# Altium PCB iono_pico.PcbDoc (part 2 of 2)
Units mil, origin at the board's own origin, x right, y up, seen from the top; angles counter-clockwise.
Board outline 3937.01 x 1975 mil, 4 copper layers (Top Layer, Layer 1, Layer 2, Bottom Layer), stack 13.956 mil thick; 175 components, 115 nets, 513 pads, 244 vias.
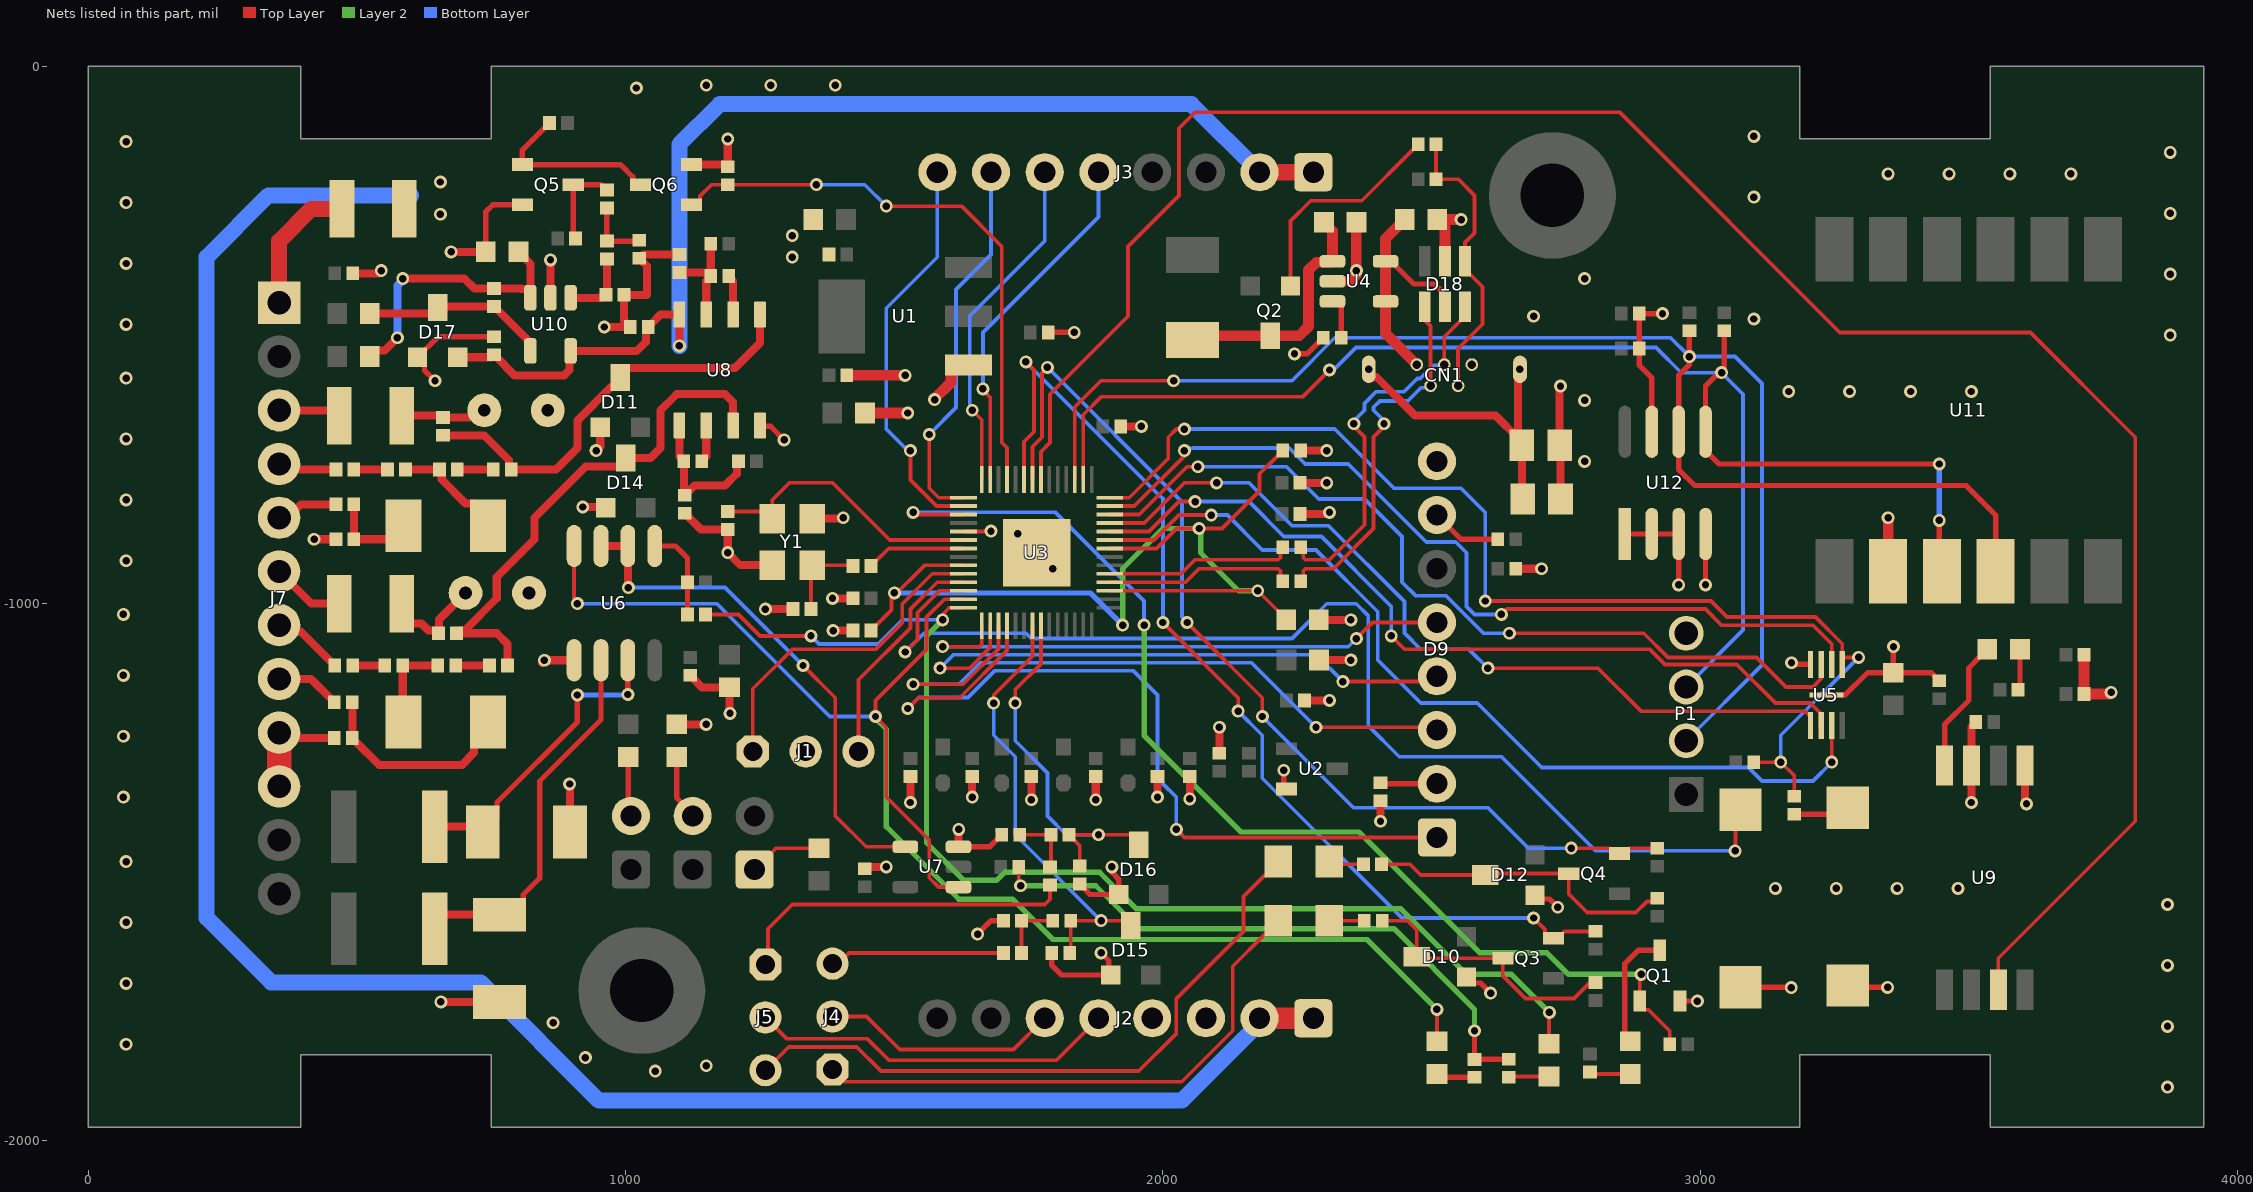
[diagram p4: the nets of this part, all layers, seen from the top]

## Via types
v1: diameter 24.02, hole 13.78, Top Layer to Bottom Layer, 243 vias
v2: diameter 24, hole 13.78, Top Layer to Bottom Layer, 1 vias

## Nets (pads, with @x,y where several pads share a name; then routed paths per layer and width w, separated by ;. In a path a pad name is that pad's centre, name@x,y a point inside that pad or via, vN(x,y) a via of type N, cw(c..) or ccw(c..) an arc to the next point about the centre after c; other vN are vias at no path point) (continued)
BLE_TX: U3.7 U9.7 | length 3937.8
  Top Layer w7: U3.7@1772.87,-769 1772.87,-717.13 1790,-700 1790,-610 1935,-465 1935,-335 2030,-240 2030,-115 2060,-85 2850,-85 3260,-495 3615,-495 3810,-690 3810,-1405 3555,-1660 U9.7@3555,-1718.66
DI1: D8.2 R64.2 R65.2 | length 167.6
  Top Layer w15: R64.2@494.06,-815 R65.2@494.06,-880 561.26,-880 D8.2@586.26,-855
DI2: D13.2 R63.2 R66.2 | length 392.1
  Top Layer w15: R63.2@491.14,-1183.27 R66.2@491.14,-1250 491.14,-1250.98 495.45,-1255.3 496.44,-1255.3 541.14,-1300 695,-1300 717.78,-1277.22 717.78,-1245.96 D13.2@743.74,-1220
DI5: C36.2 D15.3 R44.1 U3.35 | length 837.6
  Top Layer w7: v1(1685,-1185) 1685,-1170 1757.13,-1097.87 U3.35@1757.13,-1041 ; C36.2@1826.73,-1650 1828.46,-1648.27 R44.1@1828.46,-1590 v1(1885,-1590) 1931.26,-1590 D15.3@1940,-1598.74
  Bottom Layer w7: v1(1685,-1185) 1685,-1245 1725,-1285 1725,-1430 v1(1885,-1590)
DI6: C35.2 D16.3 R46.1 U3.36 | length 715.4
  Top Layer w7: v1(1725,-1185) 1725,-1160 1772.87,-1112.13 U3.36@1772.87,-1041 ; C35.2@1845,-1488.27 1845,-1450 1834.3,-1439.3 1833.31,-1439.3 1825,-1430.98 R46.1@1825,-1430 v1(1880,-1430) 1940.31,-1430 1955,-1444.69 D16.3@1955,-1448.74
  Bottom Layer w7: v1(1725,-1185) 1725,-1255 1785,-1315 1785,-1395 1820,-1430 v1(1880,-1430)
GND: C1.1 C2.1 C3.1 C4.1 C5.1 C6.1 C7.1 C8.1 C9.1 C10.1 C11.1 C12.1 C13.2 C14.1 C15.2 C16.2 C17.2 C18.1 C19.1 C20.2 C21.1 C22.1 C23.1 C24.1 C25.1 C26.1 C27.2 C28.1 C29.2 C30.1 C31.1 C32.2 C33.2 C34.2 C35.1 C36.1 C37.2 C38.1 C39.1 C40.2 C42.2 C43.2 C44.2 C45.2 CN1.5 D6.2 D7.2 D9.8 D10.1 D11.1 D12.1 D14.1 D15.1 D16.1 D17.1 D18.2 J1.2 J2.3 J2.4 J7.9 J7.10 P1.4 Q1.2 Q5.2 Q6.2 R4.2 R26.2 R28.2 R30.1 R40.2 R42.1 R48.2 R49.2 R55.1 R57.2 R60.2 R65.1 R66.1 R68.1 SW1.1 SW2.1 U1.1 U2.2 U3.19 U3.57 U4.2 U5.4 U5.9 U6.5 U7.3 U8.4 U9.1 U9.3 U10.2 U11.8 U12.1 U12.2 U12.3 U12.4 U12.7 Y1.2 Y1.4 | length 6169.1
  Top Layer w7: U3.19@1629,-865.63 1679.37,-865.63 v1(1680,-865)
  Top Layer w10: v1(645,-585) 625.53,-565.53 625.53,-554.19 D17.1@612.6,-541.26 650.59,-503.27 C37.2@755,-503.27 ; R55.1@739.69,-345 739.69,-270.31 752.6,-257.4 Q5.2@807.76,-257.4 ; U8.4@1250,-668.35 1251.62,-669.97 1269.97,-669.97 v1(1295,-695) ; U7.3@1619.41,-1452.6 1677.4,-1452.6 1692.2,-1437.8 1693.19,-1437.8 1700,-1430.98 R48.2@1700,-1430 1700,-1429.02 1693.19,-1422.2 R48.2@1692.2,-1422.2 ; v1(1655,-1615) 1680,-1590 R49.2@1703.27,-1590 ; C1.1@1786.73,-495 v1(1835,-495) ; C36.1@1793.27,-1650 1793.27,-1673.27 1811.26,-1691.26 D15.1@1902.6,-1691.26 1899.13,-1687.79 1899.13,-1664.13 v1(1885,-1650) ; C35.1@1845,-1521.73 1845.98,-1521.73 1852.8,-1528.54 1852.8,-1529.53 1864.53,-1541.26 D16.1@1917.6,-1541.26 1917.6,-1512.4 1905,-1499.8 v1(1905,-1490) ; v1(2225,-1310) 2225,-1339.8 U2.2@2230,-1344.8 ; v1(2245,-535) 2268.27,-535 2290.47,-512.8 2291.46,-512.8 2298.27,-505.98 R68.1@2298.27,-505 ; D10.1@2565,-1695 2576.1,-1706.1 2591.1,-1706.1 v1(2610,-1725) ; D12.1@2692.52,-1542.4 2699.77,-1549.65 2719.65,-1549.65 v1(2735,-1565) ; U12.1@2860,-870.24 U12.2@2910,-870.24 U12.3@2960,-870.24 v1(2960,-965) ; U12.7@2910,-680 2910,-580 2886.73,-556.73 C45.2@2886.73,-525 C43.2@2886.73,-460 v1(2930,-460) ; Q1.2@2962.4,-1739.49 2994.49,-1739.49 v1(2994.74,-1739.74) v1@2995,-1740 ; v1(3010,-965) U12.4@3010,-870.24 ; SW1.1@3075,-1714.07 3169.07,-1714.07 v1(3169.53,-1714.54) v1@3170,-1715 ; v1(3170,-1110) 3172.94,-1112.94 U5.4@3205.47,-1112.94 ; U5.9@3235,-1170 3270,-1170 3311.42,-1128.58 C28.1@3359.35,-1128.58 ; SW2.1@3277.83,-1714.07 v1(3349.07,-1714.07) v1@3350,-1715 ; v1(3360,-1080) 3359.35,-1080.65 C28.1@3359.35,-1128.58 ; C29.2@3445,-1143.27 3444.02,-1143.27 3437.2,-1136.46 3437.2,-1135.47 3430.31,-1128.58 C28.1@3359.35,-1128.58
  Top Layer w15: J7.9@355,-1240 365,-1250 R66.1@457.68,-1250 ; v1(420,-880) R65.1@460.59,-880 ; C40.2@491.73,-385 540,-385 v1(545,-380) ; v1@655,-1740 v1(656.1,-1741.1) D6.2@765,-1741.1 ; v1(675,-345) R55.1@739.69,-345 ; v1@844.06,-1110 v1(848.76,-1105.3) U6.5@904,-1105.3 ; U10.2@860,-430.59 v1(860,-360) ; v1@895,-1335 v1(895.55,-1335.55) 896.1,-1336.1 D7.2@896.1,-1425 ; v1(920,-820) 961.34,-820 D14.1@962.6,-821.26 ; v1(945,-715) 952.6,-707.4 D11.1@952.6,-671.26 ; v1(960,-485) C34.2@1008.27,-485 1008.27,-484.02 996.73,-472.48 C39.1@996.73,-425 1040,-425 1040,-371.73 1030.3,-362.03 1030.3,-361.04 C38.1@1025.98,-356.73 ; C38.1@1025,-356.73 C38.1@1025.98,-356.73 ; R60.2@1095,-1224.68 v1(1149.68,-1224.68) v1@1150,-1225 ; R28.2@1100,-350 1032.72,-350 C38.1@1025.98,-356.73 ; R40.2@1110,-831.73 1110.98,-831.73 1115.3,-836.04 1115.3,-837.03 1140,-861.73 C14.1@1190,-861.73 v1(1190,-905) 1213.31,-928.31 Y1.2@1272.6,-928.31 ; C27.2@1120,-1133.46 1120.98,-1133.46 1125.3,-1137.78 1125.3,-1138.76 1142.29,-1155.76 C30.1@1193.21,-1155.76 1193.21,-1203.21 v2(1194.11,-1204.11) v2@1195,-1205 ; Q6.2@1122.24,-182.6 1186.06,-182.6 R57.2@1190,-186.54 v1(1190,-135) ; v1(1260,-1010) C13.2@1311.54,-1010 ; Y1.4@1347.4,-841.69 1403.31,-841.69 v1(1405,-840) ; v1(1385,-990) C7.1@1423.27,-990 ; v1(1386.25,-1050) 1382.5,-1050 C16.2@1423.27,-1050 ; C31.1@1445,-1493.27 1448.27,-1490 v1(1485,-1490) ; v1(1530,-1370) C6.1@1530,-1323.46 ; U7.3@1619.41,-1452.6 1619.41,-1420.59 v1(1620,-1420) ; v1(1645,-1360) C23.1@1645,-1321.73 ; v1(1755,-1365) C24.1@1755,-1326.73 ; v1(1875,-1365) C25.1@1875,-1326.73 ; C2.1@1921.73,-670 v1(1960,-670) ; v1(1990,-1360) C26.1@1990,-1326.73 ; v1(2050,-1363.27) C5.1@2050,-1320 ; C8.1@2105,-1278.27 v1(2105,-1230) ; C3.1@2255,-833.15 2306.85,-833.15 v1(2310,-830) ; C4.1@2255,-775 v1(2305,-775) ; C15.2@2256.73,-715 v1(2305,-715) ; C17.2@2263.46,-1180 v1(2310,-1180) ; C18.1@2290.32,-1030 v1(2350,-1030) ; C20.2@2290.63,-1105 v1(2350,-1105) ; v1(2405,-1405) R26.2@2405,-1366.73 ; C32.2@2656.73,-935 v1(2705,-935) ; v1(2740,-595) 2738.31,-596.69 R4.2@2738.31,-705 2740.08,-706.77 C19.1@2740.08,-805 ; v1(3505,-1370) U9.3@3505,-1301.34 3505,-1229.25 3513.27,-1220.98 C33.2@3513.27,-1220 ; U9.1@3605,-1301.34 3605,-1370 v1(3607.5,-1372.5) v1@3610,-1375
  Top Layer w20: C12.1@1411.73,-575 v1(1520,-575) ; C11.1@1445.32,-645 v1(1525,-645) ; v1(1575,-620) 1575,-618.66 1605.4,-588.26 1605.4,-565.24 1615.09,-555.55 U1.1@1638.11,-555.55 ; U4.2@2315.59,-400 2348.6,-399.98 2360,-388.58 v1(2360,-380) 2360,-290.32 C21.1@2360.32,-290 ; D18.2@2525,-362.68 2525,-300.35 2510.63,-285.98 C22.1@2510.63,-285 v1(2555,-285) ; U11.8@3350,-940 v1(3350,-840) ; C44.2@3714.41,-1095.05 C42.2@3714.41,-1168.2 3761.8,-1168.2 v1(3765,-1165)
  Top Layer w45: J7.10@355,-1340 J7.9@355,-1240
  other v1: 3870,-1900 1055,-1870 1150,-1860 925,-1845 70,-1820 3870,-1786.67 865,-1780 70,-1706.67 3870,-1673.33 70,-1593.33 3870,-1560 3140,-1530 3253.33,-1530 3366.67,-1530 3480,-1530 70,-1480 65,-1360 65,-1246.67 65,-1133.33 65,-1020 1795,-935 70,-920 1730,-870 70,-806.67 2785,-735 70,-693.33 2785,-621.67 3165,-605 3278.33,-605 3391.67,-605 3505,-605 70,-580 3875,-500 70,-480 3100,-470 2690,-465 2785,-395 3875,-386.67 70,-366.67 1310,-355 1310,-315 3875,-273.33 70,-253.33 3100,-243.33 3350,-200 3463.33,-200 3576.67,-200 3690,-200 3875,-160 70,-140 3100,-130 1020,-40 1150,-35 1270,-35 1390,-35
I1: F4.1 J7.3 | length 116.1
  Top Layer w15: J7.3@355,-640 456.93,-640 F4.1@466.93,-650
I2: F6.1 J7.6 | length 136.8
  Top Layer w15: J7.6@355,-940 415,-1000 F6.1@466.93,-1000
LED_PW: Q1.1 R3.2 U3.17 | length 2112
  Top Layer w7: v1(1535,-830) 1539.13,-834.13 U3.17@1629,-834.13 ; v1(2890,-1690) 2887.6,-1692.4 Q1.1@2887.6,-1739.49 2887.6,-1747.35 2895.91,-1755.66 2903.77,-1755.66 2943.27,-1795.16 R3.2@2943.27,-1820
  Layer 2 w10: v1(1965,-1040) 1965,-1245 2145,-1425 2365,-1425 2590,-1650 2715,-1650 2755,-1690 v1(2890,-1690)
  Bottom Layer w7: v1(1535,-830) 1800,-830 1965,-995 v1(1965,-1040)
NetC13_1: C13.1 R2.2 Y1.3 | length 159.3
  Top Layer w7: C13.1@1345,-1010 1345,-930.71 Y1.3@1347.4,-928.31 1421.57,-928.31 R2.2@1423.27,-930
NetC15_1: C15.1 C16.1 C18.2 U3.23 U3.45 U3.50 | length 1914.2
  Top Layer w7: C16.1@1456.73,-1050 1495,-1011.73 1495,-990 1556.38,-928.62 U3.23@1629,-928.62 ; U3.45@1901,-975.87 v1(2176.54,-975.87) 2229.68,-1029.02 C18.2@2229.68,-1030 ; U3.50@1901,-897.13 1987.87,-897.13 2025,-860 v1(2067.5,-860) 2110,-860 2180,-790 2180,-758.27 2213.97,-724.3 2214.96,-724.3 2223.27,-715.98 C15.1@2223.27,-715
  Layer 2 w10: v1(1925,-1040) 1925,-935 2000,-860 v1(2067.5,-860) 2070.18,-862.68 2070.18,-905.18 2140.87,-975.87 v1(2176.54,-975.87)
  Bottom Layer w10: v1(1500,-980) 1865,-980 v1(1925,-1040)
NetC21_2: C21.2 D5.2 Q2.3 U4.1 | length 461.8
  Top Layer w20: D5.2@2055,-508.74 2062.48,-501.26 Q2.3@2200,-501.26 2253.74,-501.26 2271.19,-483.81 2271.19,-378.81 2285.79,-364.21 2313.98,-364.21 U4.1@2315.59,-362.6 2315.59,-306.89 2299.68,-290.98 C21.2@2299.68,-290
NetC38_2: C38.2 R51.2 R52.1 | length 122.3
  Top Layer w7: C38.2@1023.27,-325 C38.2@1025,-323.27
  Top Layer w10: R51.2@965,-263.46 R52.1@965,-325 C38.2@1023.27,-325
NetC39_2: C39.2 R52.2 U10.1 | length 136
  Top Layer w15: U10.1@897.4,-430.59 950.17,-430.59 950.46,-430.3 958.96,-430.3 963.27,-425.98 C39.2@963.27,-425 965,-423.27 R52.2@965,-358.46
NetC41_1: C41.1 D17.3 R54.1 U10.4 | length 348.5
  Top Layer w15: R54.1@523.58,-460 639.31,-460 650,-449.31 D17.3@650,-448.74 652.01,-446.73 C41.1@755,-446.73 755.98,-446.73 760.3,-451.04 760.3,-452.03 818.48,-510.22 818.48,-525.3 U10.4@822.6,-529.41
NetC41_2: C41.2 R55.2 R56.1 U10.3 | length 523.1
  Top Layer w15: R56.1@523.58,-540 523.58,-539.31 534.39,-528.5 551.5,-528.5 v1(575,-505) ; v1(585,-395) 700,-395 718.27,-413.27 C41.2@755,-413.27 805.28,-413.27 806.28,-414.27 818.48,-414.27 U10.3@822.6,-418.39 ; R55.2@800.32,-345 800.32,-345.98 811.12,-356.79 812.11,-356.79 822.6,-367.28 U10.3@822.6,-418.39 ; U10.3@822.6,-430.59 U10.3@822.6,-418.39
  Bottom Layer w15: v1(575,-505) 575,-407.44 585,-397.44 v1(585,-395)
NetD6_1: D6.1 F2.2 U6.6 | length 699.3
  Top Layer w10: D6.1@765,-1578.9 782.72,-1578.9 809.21,-1552.4 809.21,-1541.76 840,-1510.97 840,-1330 954,-1216 U6.6@954,-1105.3
  Top Layer w15: F2.2@644.65,-1605 644.65,-1595.02 660.77,-1578.9 D6.1@765,-1578.9
NetD7_1: D7.1 F1.2 U6.7 | length 581.4
  Top Layer w10: D7.1@733.9,-1425 760.39,-1398.5 760.39,-1369.61 910,-1220 v1(910,-1170) ; U6.7@1004,-1105.3 v1(1004,-1169) v1@1005,-1170
  Top Layer w15: F1.2@645,-1414.65 F1.2@644.65,-1415 723.9,-1415 D7.1@733.9,-1425
  Bottom Layer w10: v1(910,-1170) 1003,-1170 v1(1004,-1169)
NetD8_1: D8.1 R22.1 R23.2 | length 215
  Top Layer w15: R22.1@590,-750 R23.2@653.27,-750 657.58,-754.31 657.58,-768.84 702.03,-813.29 717.78,-813.29 743.74,-839.25 D8.1@743.74,-855
NetD9_2: D9.2 R26.1 | length 105.7
  Top Layer w10: R26.1@2405,-1333.27 2406.73,-1335 D9.2@2510,-1335
NetD9_7: D9.7 R19.1 | length 131.9
  Top Layer w10: D9.7@2510,-835 2555,-880 R19.1@2623.27,-880
NetD10_3: D10.3 Q3.3 R17.2 R20.2 | length 517.6
  Top Layer w7: R20.2@2408.46,-1590 2455,-1590 2472.48,-1607.48 D10.3@2472.48,-1657.6 2474.88,-1660 Q3.3@2632.76,-1660 2632.76,-1692.76 2675,-1735 2765,-1735 2795,-1705 R17.2@2805,-1705
NetD11_3: D11.3 R24.1 R27.1 U8.5 | length 812.7
  Top Layer w15: R27.1@660,-686.73 736.73,-686.73 782.42,-732.42 782.42,-745.69 R24.1@786.73,-750 870,-750 910,-710 910,-658.74 972.5,-596.24 979.31,-596.24 990,-585.55 D11.3@990,-578.74 990,-571.93 1000.69,-561.24 1203.76,-561.24 1250,-515 U8.5@1250,-461.65
NetD12_3: D12.3 Q4.3 R31.2 R33.2 | length 586.1
  Top Layer w7: R33.2@2406.73,-1485 2460,-1485 2480,-1505 D12.3@2600,-1505 2602.6,-1502.4 Q4.3@2755.51,-1502.4 2755.51,-1540.51 2790,-1575 2880,-1575 2900.81,-1554.19 2914.07,-1554.19 R31.2@2920,-1548.27
NetD13_1: D13.1 R35.1 R36.2 | length 170.5
  Top Layer w15: D13.1@586.26,-1220 585,-1218.74 R35.1@585,-1115 R36.2@650,-1115
NetD14_3: D14.3 R37.1 R39.1 U8.3 | length 983.9
  Top Layer w15: R37.1@780,-1115 780,-1075 760,-1055 R39.1@685,-1055 685,-1054.02 689.31,-1049.7 700.3,-1049.7 760,-990 760,-950 830,-880 830,-840 925,-745 989.31,-745 1000,-734.31 D14.3@1000,-728.74 1046.26,-728.74 1065,-710 1065,-640 1095,-610 1185,-610 1200,-625 U8.3@1200,-668.35
NetF3_2: F3.2 R20.1 | length 65
  Top Layer w7: F3.2@2310,-1590 R20.1@2375,-1590
NetF4_2: F4.2 R27.2 R30.2 | length 160.7
  Top Layer w15: F4.2@583.07,-650 656.73,-650 R27.2@660,-653.27 710.64,-653.27 723.9,-640 R30.2@736.89,-640
NetF5_2: F5.2 R33.1 | length 65.3
  Top Layer w7: F5.2@2310,-1480 2315,-1485 R33.1@2373.27,-1485
NetF6_2: F6.2 R39.2 R42.2 | length 200.1
  Top Layer w15: F6.2@583.07,-1000 583.07,-1021.21 598.41,-1036.55 619.62,-1036.55 632.78,-1049.7 647.22,-1049.7 651.54,-1054.02 R39.2@651.54,-1055 652.43,-1054.11 652.43,-1029.46 R42.2@701.89,-980
NetJ4_3: J4.3 R45.2 | length 326.6
  Top Layer w7: J4.3@1385,-1670.07 1395.53,-1670.07 1415.6,-1650 R45.2@1703.27,-1650
NetJ5_1: J5.1 R47.2 | length 643
  Top Layer w7: J5.1@1260,-1671.57 1265,-1666.57 1265,-1605 1310,-1560 1780,-1560 1790,-1550 R47.2@1790,-1523.46
NetJ6_2: J6.2 R60.1 | length 122
  Top Layer w10: R60.1@1095,-1285.31 1095,-1361.65 1124.69,-1391.33 J6.2@1124.69,-1395
NetJ7_1: J7.1 R67.2 | length 256.8
  Top Layer w30: J7.1@355,-440 355,-325 415,-265 R67.2@471.93,-265
NetJ7_5: J7.5 R64.1 | length 115.9
  Top Layer w15: J7.5@355,-840 370.66,-840 395.66,-815 R64.1@460.59,-815
NetJ7_8: J7.8 R63.1 | length 121.2
  Top Layer w15: J7.8@355,-1140 414.41,-1140 452.38,-1177.97 453.37,-1177.97 457.68,-1182.28 R63.1@457.68,-1183.27
NetJ8_1: J8.1 R61.2 | length 136.4
  Top Layer w7: J8.1@1240,-1495 1279.69,-1455.31 R61.2@1360,-1455.31
NetJ9_2: J9.2 R62.1 | length 111.6
  Top Layer w10: R62.1@1005,-1285.31 1005,-1390.31 J9.2@1009.69,-1395
NetLD1_1: LD1.1 R5.2 | length 76.5
  Top Layer w7: R5.2@2795,-1871.73 2798.58,-1875.32 LD1.1@2870,-1875.32
NetLD1_2: LD1.2 Q1.3 | length 224.2
  Top Layer w10: LD1.2@2870,-1814.69 2860,-1804.69 2860,-1670 2885,-1645 Q1.3@2925,-1645
NetLD2_1: LD2.1 R14.1 | length 75.6
  Top Layer w7: R14.1@2643.58,-1881.42 2645,-1880 LD2.1@2718.58,-1880
NetLD3_1: LD3.1 R15.1 | length 72.7
  Top Layer w10: LD3.1@2510,-1875.32 2516.42,-1881.73 R15.1@2580,-1881.73
NetLD4_1: LD4.1 R43.1 | length 76.5
  Top Layer w10: R43.1@3591.73,-1160 3595.32,-1156.42 LD4.1@3595.32,-1085
NetLD4_2: LD4.2 U9.4 | length 249.9
  Top Layer w10: U9.4@3455,-1301.34 3455,-1225 3500,-1180 3500,-1119.69 3520.39,-1099.29 3521.38,-1099.29 3534.69,-1085.98 LD4.2@3534.69,-1085
NetQ2_1: Q2.1 R6.2 | length 418.4
  Top Layer w7: Q2.1@2237.4,-408.74 2237.4,-287.6 2275,-250 2370,-250 2465.7,-154.3 2466.69,-154.3 2475,-145.98 R6.2@2475,-145
NetQ5_1: Q5.1 Q6.3 R53.2 | length 339.2
  Top Layer w10: R53.2@858.27,-105 858.27,-105.98 851.46,-112.8 850.47,-112.8 807.76,-155.51 Q5.1@807.76,-182.6 990.35,-182.6 1013.07,-205.31 1013.07,-213.19 1019.88,-220 Q6.3@1027.76,-220
NetQ5_3: Q5.3 R50.2 R51.1 | length 168.8
  Top Layer w10: R50.2@906.73,-320 902.24,-315.51 Q5.3@902.24,-220 954.02,-220 964.02,-230 R51.1@965,-230
NetR10_1: R10.1 R11.2 U6.1 | length 177.4
  Top Layer w10: U6.1@1054,-892.7 1092.7,-892.7 1115,-915 R10.1@1115,-960 R11.2@1115,-1020 R11.2@1113.46,-1021.54
NetR12_2: R12.2 SW2.2 | length 104.9
  Top Layer w10: R12.2@3175,-1391.73 3263.27,-1391.73 SW2.2@3275,-1380
NetR14_2: R14.2 R15.2 R16.1 | length 1133.6
  Top Layer w7: R16.1@1731.73,-1490 1731.73,-1521.73 v1(1735,-1525)
  Top Layer w10: v1(2580,-1795) R15.2@2580,-1848.27 2643.27,-1848.27 R14.2@2643.58,-1847.95
  Layer 2 w10: v1(1735,-1525) 1875,-1525 1955,-1605 2430,-1605 2580,-1755 v1(2580,-1795)
NetR21_1: R21.1 R22.2 | length 62.5
  Top Layer w15: R21.1@494.06,-750 R22.2@556.54,-750
NetR23_1: R23.1 R24.2 | length 66.5
  Top Layer w15: R23.1@686.73,-750 R24.2@753.27,-750
NetR25_1: R25.1 R28.1 R29.1 U8.7 | length 188.6
  Top Layer w15: R28.1@1100,-383.46 1145.17,-383.46 1146.41,-384.7 1158.27,-384.7 R25.1@1158.27,-330 ; U8.7@1150,-461.65 1150,-399.25 1158.27,-390.98 R29.1@1158.27,-390
NetR29_2: R29.2 U8.6 | length 75.1
  Top Layer w15: R29.2@1191.73,-390 1191.73,-390.98 1200,-399.25 U8.6@1200,-461.65
NetR34_1: R34.1 R35.2 | length 59.8
  Top Layer w15: R34.1@491.73,-1115 R35.2@551.54,-1115
NetR36_1: R36.1 R37.2 | length 63.1
  Top Layer w15: R36.1@683.46,-1115 R37.2@746.54,-1115
NetR38_1: R38.1 R40.1 R41.1 U8.1 | length 272.6
  Top Layer w15: U8.1@1100,-668.35 1100,-725.75 1108.27,-734.02 R41.1@1108.27,-735 1108.27,-796.54 R40.1@1110,-798.27 1110.98,-798.27 1115.3,-793.96 1115.3,-792.97 1128.27,-780 1185,-780 1206.79,-758.21 1206.79,-738.21 R38.1@1210,-735
NetR41_2: R41.2 U8.2 | length 70.1
  Top Layer w15: R41.2@1141.73,-735 1141.73,-734.02 1150,-725.75 U8.2@1150,-668.35
NetR44_2: R44.2 R45.1 R49.1 | length 118.3
  Top Layer w7: R45.1@1736.73,-1650 R49.1@1736.73,-1590 R44.2@1795,-1590
NetR46_2: R46.2 R47.1 R48.1 | length 118.7
  Top Layer w7: R48.1@1733.46,-1430 R46.2@1791.54,-1430 1791.54,-1488.46 R47.1@1790,-1490
NetR68_2: R68.2 U4.3 | length 79.9
  Top Layer w10: U4.3@2315.59,-437.4 2325.18,-437.4 2331.73,-443.95 R68.2@2331.73,-505
NetU6_2: U6.2 U6.3 U7.4 | length 972.1
  Top Layer w7: v1(1330,-1115) 1390,-1175 1390,-1395 1447.6,-1452.6 U7.4@1520.59,-1452.6
  Top Layer w15: U6.3@954,-892.7 U6.2@1004,-892.7 1004,-969 v1(1005,-970)
  Bottom Layer w7: v1(1005,-970) 1185,-970 v1(1330,-1115)
PWM: Q6.1 R57.1 U3.11 | length 1083.6
  Top Layer w7: Q6.1@1122.24,-257.4 1130.11,-257.4 1138.42,-249.09 1138.42,-241.23 1159.65,-220 R57.1@1190,-220 v1(1355,-220) ; v1(1485,-260) 1625,-260 1700,-335 1700,-700 1709.88,-709.88 U3.11@1709.88,-769
  Bottom Layer w7: v1(1355,-220) 1445,-220 v1(1485,-260)
QSPI_SCK: U3.52 U5.6 | length 1565
  Top Layer w7: U3.52@1901,-865.63 1974.37,-865.63 2030,-810 v1(2060,-810) ; v1(2425,-1060) 2450,-1085 2906.62,-1085 2934.62,-1113 3068,-1113 3140,-1185 3205,-1185 3223.68,-1203.68 3223.68,-1225.58 U5.6@3225.16,-1227.06
  Bottom Layer w7: v1(2060,-810) 2160,-810 2225,-875 2295,-875 2425,-1005 v1(2425,-1060)
QSPI_SD0: U3.53 U5.5 | length 1566.7
  Top Layer w7: U3.53@1901,-849.88 1965.12,-849.88 2040,-775 v1(2100,-775) ; v1(2605,-1120) 2810,-1120 2890,-1200 3195,-1200 3203.97,-1208.97 3203.97,-1225.56 U5.5@3205.47,-1227.06
  Bottom Layer w7: v1(2100,-775) 2160,-775 2240,-855 2308.38,-855 2449.5,-996.12 2449.5,-1054.5 2480,-1085 2570,-1085 v1(2605,-1120)
QSPI_SD1: U3.55 U5.2 | length 1650.7
  Top Layer w7: U3.55@1901,-818.39 1946.61,-818.39 2040,-725 v1(2040,-715) ; v1(2630,-1020) 2640,-1010 3010,-1010 3040,-1040 3210,-1040 3244.84,-1074.84 U5.2@3244.84,-1112.94
  Bottom Layer w7: v1(2040,-715) 2044.4,-710.6 2055,-710.6 2055.6,-710 2235,-710 2265,-740 2345,-740 2490,-885 2545,-885 2565,-905 2565,-1005 2580,-1020 v1(2630,-1020)
QSPI_SD2: U3.54 U5.3 | length 1613.9
  Top Layer w7: U3.54@1901,-834.13 1955.87,-834.13 2045,-745 v1(2065,-745) ; v1(2645,-1055) 2895,-1055 2940,-1100 3105,-1100 3160,-1155 3210,-1155 3225.16,-1139.84 U5.3@3225.16,-1112.94
  Bottom Layer w7: v1(2065,-745) 2230,-745 2290,-805 2375,-805 2445,-875 2445,-960 2470,-985 2526.62,-985 2596.62,-1055 v1(2645,-1055)
QSPI_SD3: U3.51 U5.7 | length 1703.5
  Top Layer w7: U3.51@1901,-881.38 1983.62,-881.38 2030,-835 v1(2090,-835) ; U5.7@3244.84,-1227.06 3244.84,-1294.84 v1(3245,-1295)
  Bottom Layer w7: v1(2090,-835) 2120,-835 2185,-900 2285,-900 2400,-1015 2400,-1105 2480,-1185 2585,-1185 2705,-1305 3090,-1305 3115,-1330 3210,-1330 v1(3245,-1295)
QSPI_SS: R12.1 R13.2 U3.56 U5.1 | length 2135.7
  Top Layer w7: U3.56@1901,-802.64 1937.36,-802.64 2010,-730 2010,-690 2025,-675 v1(2040,-675) ; v1(2600,-995) 3020,-995 3050,-1025 3215,-1025 3264.53,-1074.53 3264.53,-1098.5 3266.03,-1100 v1(3295,-1100) ; R13.2@3100,-1295 v1(3150,-1295) 3175,-1320 R12.1@3175,-1358.27
  Bottom Layer w7: v1(2040,-675) 2320,-675 2430,-785 2555,-785 2600,-830 v1(2600,-995) ; v1(3150,-1295) 3150,-1245 v1(3295,-1100)
REL1: J3.5 U3.13 | length 666.8
  Top Layer w7: v1(1665,-600) 1665,-602.21 1678.39,-615.6 U3.13@1678.39,-769
  Bottom Layer w7: v1(1665,-600) 1665,-495 1880,-280 J3.5@1880,-196.85
REL2: J3.6 U3.14 | length 639.1
  Top Layer w7: v1(1645,-640) 1662.64,-657.64 U3.14@1662.64,-769
  Bottom Layer w7: v1(1645,-640) 1640.6,-635.6 1640.6,-624.5 1640.5,-624.4 1640.5,-464.5 1780,-325 J3.6@1780,-196.85
REL3: J3.7 U3.15 | length 707.1
  Top Layer w7: v1(1565,-685) 1565,-785 1582.64,-802.64 U3.15@1629,-802.64
  Bottom Layer w7: v1(1565,-685) 1615,-635 1615,-415 1680,-350 J3.7@1680,-196.85
REL4: J3.8 U3.16 | length 753.1
  Top Layer w7: v1(1530,-715) 1530,-770 1578.39,-818.39 U3.16@1629,-818.39
  Bottom Layer w7: v1(1530,-715) 1525,-715 1485,-675 1485,-450 1580,-355 J3.8@1580,-196.85
RP_DI5: J2.6 J4.2 | length 444.6
  Top Layer w7: J4.2@1385,-1768.5 1448.5,-1768.5 1510,-1830 1721.65,-1830 J2.6@1780,-1771.65
RP_DI6: J2.5 J5.2 | length 685.6
  Top Layer w7: J5.2@1260,-1770 1300,-1810 1450,-1810 1490,-1850 1801.65,-1850 J2.5@1880,-1771.65
RUN_RST: SW1.2 U3.26 | length 2167.5
  Top Layer w7: v1(1520,-1090) 1543,-1067 1543,-1017 1584.13,-975.87 U3.26@1629,-975.87 ; v1(3065,-1460) 3065.86,-1459.14 3065.86,-1392.51 SW1.2@3075,-1383.37
  Bottom Layer w7: v1(1520,-1090) 1555,-1055 1745,-1055 1755,-1065 2240,-1065 2305,-1000 2360,-1000 2382,-1022 2382,-1227 2440,-1285 2630,-1285 2805,-1460 v1(3065,-1460)
RX: LD2.2 R11.1 U3.28 | length 2327.7
  Top Layer w7: R11.1@1148.46,-1020 1210,-1020 1250,-1060 v1(1345,-1060) ; v1(1590,-1030) 1590,-1020 1601.5,-1008.5 1601.5,-1007.36 U3.28@1629,-1007.36 ; LD2.2@2718.58,-1819.37 2718.58,-1761.42 v1(2719.29,-1760.71) v1@2720,-1760
  Layer 2 w10: v1(1590,-1030) 1560,-1060 1560,-1445 1630,-1515 1690,-1515 1705,-1500 1882.46,-1500 1949.96,-1567.5 2442.5,-1567.5 2565,-1690 2648.58,-1690 v1(2719.29,-1760.71)
  Bottom Layer w7: v1(1345,-1060) 1360,-1075 1470,-1075 1515,-1030 v1(1590,-1030)
SCL0: P1.2 R59.2 U3.3 U11.10 U12.6 | length 3222.8
  Top Layer w7: U3.3@1835.87,-769 1835.87,-634.13 1885,-585 v1(2020,-585)
  Top Layer w10: R59.2@2980,-491.73 2980,-555 2960,-575 U12.6@2960,-680 2960,-750 2990,-780 3495,-780 3550,-835 U11.10@3550,-940
  Bottom Layer w7: v1(2020,-585) 2240,-585 2320,-505 2945,-505 v1(2980,-540) 3065,-540 3115,-590 3115,-1114.06 P1.2@2974.06,-1255
SDA0: P1.3 R58.2 U3.2 U11.9 U12.5 | length 2911
  Top Layer w7: U3.2@1851.61,-769 1851.61,-648.39 1885,-615 2260,-615 v1(2310,-565)
  Top Layer w10: R58.2@3045,-491.73 3045,-560 3010,-595 U12.5@3010,-680 3010,-715 3035,-740 v1(3445,-740) ; v1(3445,-845) 3445,-935 U11.9@3450,-940
  Bottom Layer w7: v1(2310,-565) 2317.4,-565 2359.4,-523 2918,-523 2965,-570 v1(3040,-570) 3080,-610 3080,-1049.06 P1.3@2974.06,-1155
  Bottom Layer w10: v1(3445,-845) v1(3445,-740)
SHELL: C19.2 CN1.0 R4.1 | length 581.5
  Top Layer w15: CN1.0@2383.07,-563.66 2383.07,-573.59 2387.96,-578.48 2397.89,-578.48 2469.41,-650 2619.33,-650 R4.1@2661.34,-692.01 ; CN1.0@2661.34,-564.29 R4.1@2661.34,-692.01 ; C19.2@2670,-805 2668.23,-803.23 R4.1@2668.23,-705 2661.34,-698.11 R4.1@2661.34,-692.01
SPI_CLK: D9.5 U3.29 | length 1047.9
  Top Layer w7: v1(1590,-1080) 1658.54,-1080 1662.64,-1075.9 U3.29@1662.64,-1041 ; v1(2360,-1065) 2390,-1035 D9.5@2510,-1035
  Bottom Layer w7: v1(1590,-1080) 2345,-1080 v1(2360,-1065)
SPI_DC: D9.3 U3.31 | length 1273
  Top Layer w7: v1(1535,-1150) 1628.38,-1150 1694.13,-1084.25 U3.31@1694.13,-1041 ; v1(2285,-1230) 2505,-1230 D9.3@2510,-1235
  Bottom Layer w7: v1(1535,-1150) 1620,-1150 1660,-1110 2165,-1110 v1(2285,-1230)
SPI_MOSI: D9.4 U3.30 | length 1110.1
  Top Layer w7: v1(1585,-1120) 1640,-1120 1678.39,-1081.61 U3.30@1678.39,-1041 ; v1(2335,-1145) 2500,-1145 D9.4@2510,-1135
  Bottom Layer w7: v1(1585,-1120) 1610,-1095 2285,-1095 v1(2335,-1145)
SPI_RST: D9.1 U3.32 | length 1544.3
  Top Layer w7: v1(1525,-1195) 1545,-1175 1621.77,-1175 1709.88,-1086.89 U3.32@1709.88,-1041 ; v1(2025,-1420) 2040,-1435 D9.1@2510,-1435
  Bottom Layer w7: v1(1525,-1195) 1545.5,-1174.5 1637.12,-1174.5 1686.62,-1125 1945,-1125 1990,-1170 1990,-1326 1999.5,-1335.5 2000.15,-1335.5 2025,-1360.35 v1(2025,-1420)
SWCLK: J1.1 U3.24 | length 618.2
  Top Layer w7: J1.1@1236.57,-1275 1236.57,-1158.43 1310,-1085 1465,-1085 1515,-1035 1515,-1000 1570.63,-944.37 U3.24@1629,-944.37
SWD: J1.3 U3.25 | length 424.7
  Top Layer w7: J1.3@1433.43,-1275 1433.43,-1141.57 1530,-1045 1530,-1010 1579.88,-960.12 U3.25@1629,-960.12
TTL5_SDA1: Q3.2 R18.2 U3.9 | length 1944.4
  Top Layer w7: U3.9@1741.38,-769 1741.38,-698.62 1760,-680 1760,-565 v1(1745,-550) ; v1(2000,-1035) 2140,-1175 v1(2140,-1200) ; v1(2690,-1585) 2690,-1585.35 2711.07,-1606.43 2711.07,-1614.29 2719.38,-1622.6 Q3.2@2727.24,-1622.6 2735.12,-1622.6 2743.43,-1614.29 2743.43,-1614.1 2747.53,-1610 R18.2@2805,-1610
  Bottom Layer w7: v1(1745,-550) 1745,-550.42 1994.58,-800 1995.9,-800 2000,-804.1 v1(2000,-1035) ; v1(2140,-1200) 2185,-1245 2185,-1325 2445,-1585 v1(2690,-1585)
TTL6_SCL1: Q4.2 R32.2 U3.8 | length 1881
  Top Layer w7: U3.8@1757.13,-769 1757.13,-707.87 1775,-690 1775,-570 v1(1785,-560) ; v1(2045,-1035) 2185,-1175 v1(2185,-1210) ; v1(2760,-1455) 2829.71,-1455 2831.4,-1456.69 2841.69,-1456.69 Q4.2@2850,-1465 2857.87,-1465 2867.87,-1455 R32.2@2920,-1455
  Bottom Layer w7: v1(1785,-560) 2035.5,-810.5 2035.5,-1024.5 2045,-1034 v1(2045,-1035) ; v1(2185,-1210) 2355,-1380 2605,-1380 2680,-1455 v1(2760,-1455)
TTL/DI5: F3.1 J4.1 | length 1036.4
  Top Layer w7: J4.1@1385,-1866.93 1408.07,-1890 2035,-1890 2130,-1795 2130,-1675 2188.97,-1616.03 2192.91,-1616.03 2215,-1593.94 F3.1@2215,-1590
TTL/DI6: F5.1 J5.3 | length 1231.6
  Top Layer w7: J5.3@1260,-1868.43 1303.43,-1825 1430,-1825 1475,-1870 1955,-1870 2025,-1800 2025,-1735 2150,-1610 2150,-1545 2188.97,-1506.03 2192.91,-1506.03 2215,-1483.94 F5.1@2215,-1480
TX: LD3.2 U3.27 U6.4 U7.1 | length 2900.8
  Top Layer w7: U6.4@904,-892.7 904,-989.4 910,-995.4 v1(910,-1000) ; U7.1@1619.41,-1527.4 1582.4,-1527.4 1565,-1510 1565,-1440 1485,-1360 1485,-1230 v1(1465,-1210) 1465,-1180 1560,-1085 1560,-1025 1593.39,-991.61 U3.27@1629,-991.61 ; LD3.2@2510,-1814.69 v1(2510,-1755)
  Layer 2 w10: v1(1465,-1210) 1465,-1213.44 1485,-1233.44 1485,-1415 1620,-1550 1720,-1550 1795,-1625 2380,-1625 v1(2510,-1755)
  Bottom Layer w7: v1(910,-1000) 1170,-1000 1380,-1210 v1(1465,-1210)
USB_ID: CN1.4 D18.1 R6.1 R9.2 | length 543
  Top Layer w7: R6.1@2508.46,-145 R9.2@2508.46,-210 2550,-210 2580,-240 2580,-310 2562.4,-327.6 D18.1@2562.4,-362.68 2562.4,-377.3 2595,-409.9 2595,-480 2549.41,-525.59 CN1.4@2549.41,-594.37
USB_N: CN1.2 D18.4 R8.2 | length 697.3
  Top Layer w7: R8.2@2256.73,-958.33 2261.07,-953.99 2261.07,-939.27 2265.17,-935.17 2317.04,-935.17 2392,-860.21 2392,-689.91 2411.5,-670.41 v1(2411.5,-665) ; D18.4@2487.6,-447.32 2487.6,-472.6 2498.23,-483.23 CN1.2@2498.23,-594.37
  Bottom Layer w7: v1(2411.5,-665) 2411.5,-659.59 2392,-640.09 2392,-634.3 2403.8,-622.5 2455.75,-622.5 2480.35,-597.9 2492.1,-597.9 CN1.2@2495,-595
USB_P: CN1.3 D18.6 R7.2 | length 704.4
  Top Layer w7: R7.2@2256.73,-895 2261.07,-899.34 2261.07,-914.06 2265.17,-918.17 2310,-918.17 2375,-853.17 2375,-689.91 2355.5,-670.41 v1(2355.5,-665) ; CN1.3@2523.82,-555 2523.82,-503.62 2562.4,-465.04 D18.6@2562.4,-447.32
  Bottom Layer w7: v1(2355.5,-665) 2355.5,-659.59 2375,-640.09 2375,-627.25 2396.75,-605.5 2448.7,-605.5 2473.31,-580.9 2478.96,-580.9 2503.63,-556.23 2519.99,-556.23 CN1.3@2520.59,-555.63
USB_RP_N: R8.1 U3.46 | length 350.8
  Top Layer w7: U3.46@1901,-960.12 2041.9,-960.12 2066.86,-935.17 2214.83,-935.17 2218.93,-939.27 2218.93,-953.99 R8.1@2223.27,-958.33
USB_RP_P: R7.1 U3.47 | length 351.3
  Top Layer w7: U3.47@1901,-944.37 2033.61,-944.37 2059.81,-918.17 2214.83,-918.17 2218.93,-914.06 2218.93,-899.34 R7.1@2223.27,-895
V1: J7.4 R21.2 | length 109.7
  Top Layer w15: J7.4@355,-740 365,-750 R21.2@460.59,-750
V2: J7.7 R34.2 | length 134.9
  Top Layer w15: J7.7@355,-1040 367.2,-1052.2 395.46,-1052.2 452.97,-1109.7 453.96,-1109.7 458.27,-1114.02 R34.2@458.27,-1115
VBUS: C22.2 CN1.1 D18.5 U4.4 U4.5 | length 468.2
  Top Layer w10: U4.5@2414.41,-362.6 2424.48,-362.6 2466.88,-405 2505,-405 2519.17,-419.17 2519.17,-441.5 D18.5@2525,-447.32
  Top Layer w20: C22.2@2450,-285 2450,-285.98 2441.69,-294.29 2440.71,-294.29 2414.41,-320.59 U4.5@2414.41,-362.6 U4.4@2414.41,-437.4 2414.41,-496.77 CN1.1@2472.64,-555
VLIM: C34.1 C37.1 D17.2 J3.1 J3.2 U8.8 U10.5 | length 2208.5
  Top Layer w15: D17.2@687.4,-541.26 749.49,-541.26 754.02,-536.73 C37.1@755,-536.73 755.98,-536.73 760.3,-541.04 760.3,-542.03 793.27,-575 885,-575 895,-565 895,-531.81 U10.5@897.4,-529.41 1020.59,-529.41 1037.42,-512.58 1037.42,-489.31 C34.1@1041.73,-485 1041.73,-484.02 1046.04,-479.7 1047.03,-479.7 1065.08,-461.65 U8.8@1100,-461.65 v1(1100,-520)
  Top Layer w30: J3.2@2180,-196.85 J3.1@2280,-196.85
  Bottom Layer w30: v1(1100,-520) 1100,-145 1175,-70 2053.15,-70 J3.2@2180,-196.85
Vs_out: J2.1 J2.2 R67.1 | length 3926.9
  Top Layer w40: J2.2@2180,-1771.65 J2.1@2280,-1771.65
  Bottom Layer w30: 600,-240 335,-240 220,-355 220,-1585 340,-1705 730,-1705 950,-1925 2035,-1925 2180,-1780 J2.2@2180,-1771.65
  other v1: 655,-275 655,-215
XIN: C14.2 U3.20 Y1.1 | length 536.3
  Top Layer w7: C14.2@1190,-828.27 1259.18,-828.27 Y1.1@1272.6,-841.69 1272.6,-807.4 1305,-775 1385,-775 1491.38,-881.38 U3.20@1629,-881.38
XOUT: R2.1 U3.21 | length 186.5
  Top Layer w7: R2.1@1456.73,-930 1456.73,-929.02 1465.04,-920.7 1466.03,-920.7 1489.61,-897.13 U3.21@1629,-897.13
pads on no net: D18.3 M1.1 M2.1 U2.3 U3.4 U3.5 U3.12 U3.18 U3.34 U9.5 U9.6 U11.1 U11.2 U11.3 U11.4 U11.5 U11.6 U11.7 U11.12

## Polygon pours and split planes (outlines as drawn)
GND on Layer 1 "Top Layer-No Net" (solid, remove dead copper, pour order 0): -195,270 -170,245 -170,-2155 4325,-2155 4370,-2110 4200,-1940 4200,445
GND on Top Layer "Top Layer-No Net" (solid, remove dead copper, pour order 2): 241.04,670 -333.96,95 -333.96,-1875 121.04,-2330 166.04,-2285 4376.04,-2285 4376.04,40 3846.04,570
GND on Bottom Layer "Top Layer-No Net" (solid, remove dead copper, pour order 4): -60,795 -800,55 -800,-1960 -335,-2425 -195,-2285 4495,-2285 4495,170 4235,430

## Other copper
Top Layer:
  rectangle net 5V: 1400,-365 1520,-285
  rectangle net 3V3: 1325,-645 1379.68,-525
  rectangle net Vs_out: 565,-305 675,-190
  rectangle net GND: 1300,-370 1375,-260
  pour cut-out: 3105,-1100 3100,-1095 3065,-1095 3065,-1130 3045,-1150 3085,-1190 3210,-1190 3214.16,-1194.16 3214.16,-1137.14 3152.14,-1137.14 3120,-1105
Bottom Layer:
  rectangle net 5V: 1440,-370 1520,-285
  rectangle net 3V3: 1325,-645 1385,-525
  rectangle net Vs_out: 565,-305 675,-190

## Silkscreen, mask and mechanical layers (free items; w line width, h text height)
Top Overlay:
  text "REL4" at 1590,-125 h50 r90
  text "REL3" at 1695,-125 h50 r90
  text "REL2" at 1795,-125 h50 r90
  text "REL1" at 1895,-125 h50 r90
  text "5V" at 2045,-125 h50 r90
  text "5V" at 2095,-125 h50 r90
  text "VLIM" at 2245,-125 h50 r90
  text "VLIM" at 2200,-130 h50 r90
  text "inno" at 1725,-430 h120
  text "USB" at 2715,-570 h50
  text "GND" at 2365,-750 h50
  text "BL" at 2370,-845 h50
  text "3V3" at 2360,-945 h50
  text "CLK" at 2360,-1030 h50
  text "GND" at 2825,-1065 h50
  text "MOSI" at 2350,-1155 h50
  text "SDA" at 2825,-1165 h50
  text "CLK" at 1235,-1180 h50
  text "GND" at 1325,-1180 h50
  text "SWD" at 1420,-1180 h50
  text "DC" at 2357.64,-1241.61 h50
  text "SCL" at 2825,-1270 h50
  text "CS" at 2380,-1295 h50
  text "3V3" at 2825,-1365 h50
  text "A" at 1305,-1400 h50
  text "B" at 1370,-1400 h50
  text "X" at 1435,-1400 h50
  text "RST" at 2360,-1450 h50
  text "3V3IO" at 1465,-1675 h50
  text "RP2040" at 50,-1795 h120
  text "BOOT" at 3030,-1805 h50
  text "RST" at 3235,-1805 h50
  text "5VIO" at 1460,-1885 h50
  text "DI5" at 1790,-1950 h50 r90
  text "DI6" at 1890,-1950 h50 r90
  text "GND" at 1980,-1950 h50 r90
  text "GND" at 2090,-1950 h50 r90
  text "VSout" at 2190,-1950 h50 r90
  text "VSout" at 2290,-1950 h50 r90
  text "TX" at 2475,-1950 h50
  text "U_LED" at 2825,-1950 h50
  text "AI3" at 1615,-1950.05 h50 r90
  text "AI4" at 1690,-1950.05 h50 r90
  text "RX" at 2685,-1955 h50
Bottom Overlay:
  drawing of 7841 lines, arcs and shapes, not listed
  text "PICO Hardware" at 3708.33,-922 h80
  text "Open Hardware" at 2100,-1190 h80
Mechanical 1:
  the board outline again, w50